# KiCad board phase-control.kicad_pcb (continued)
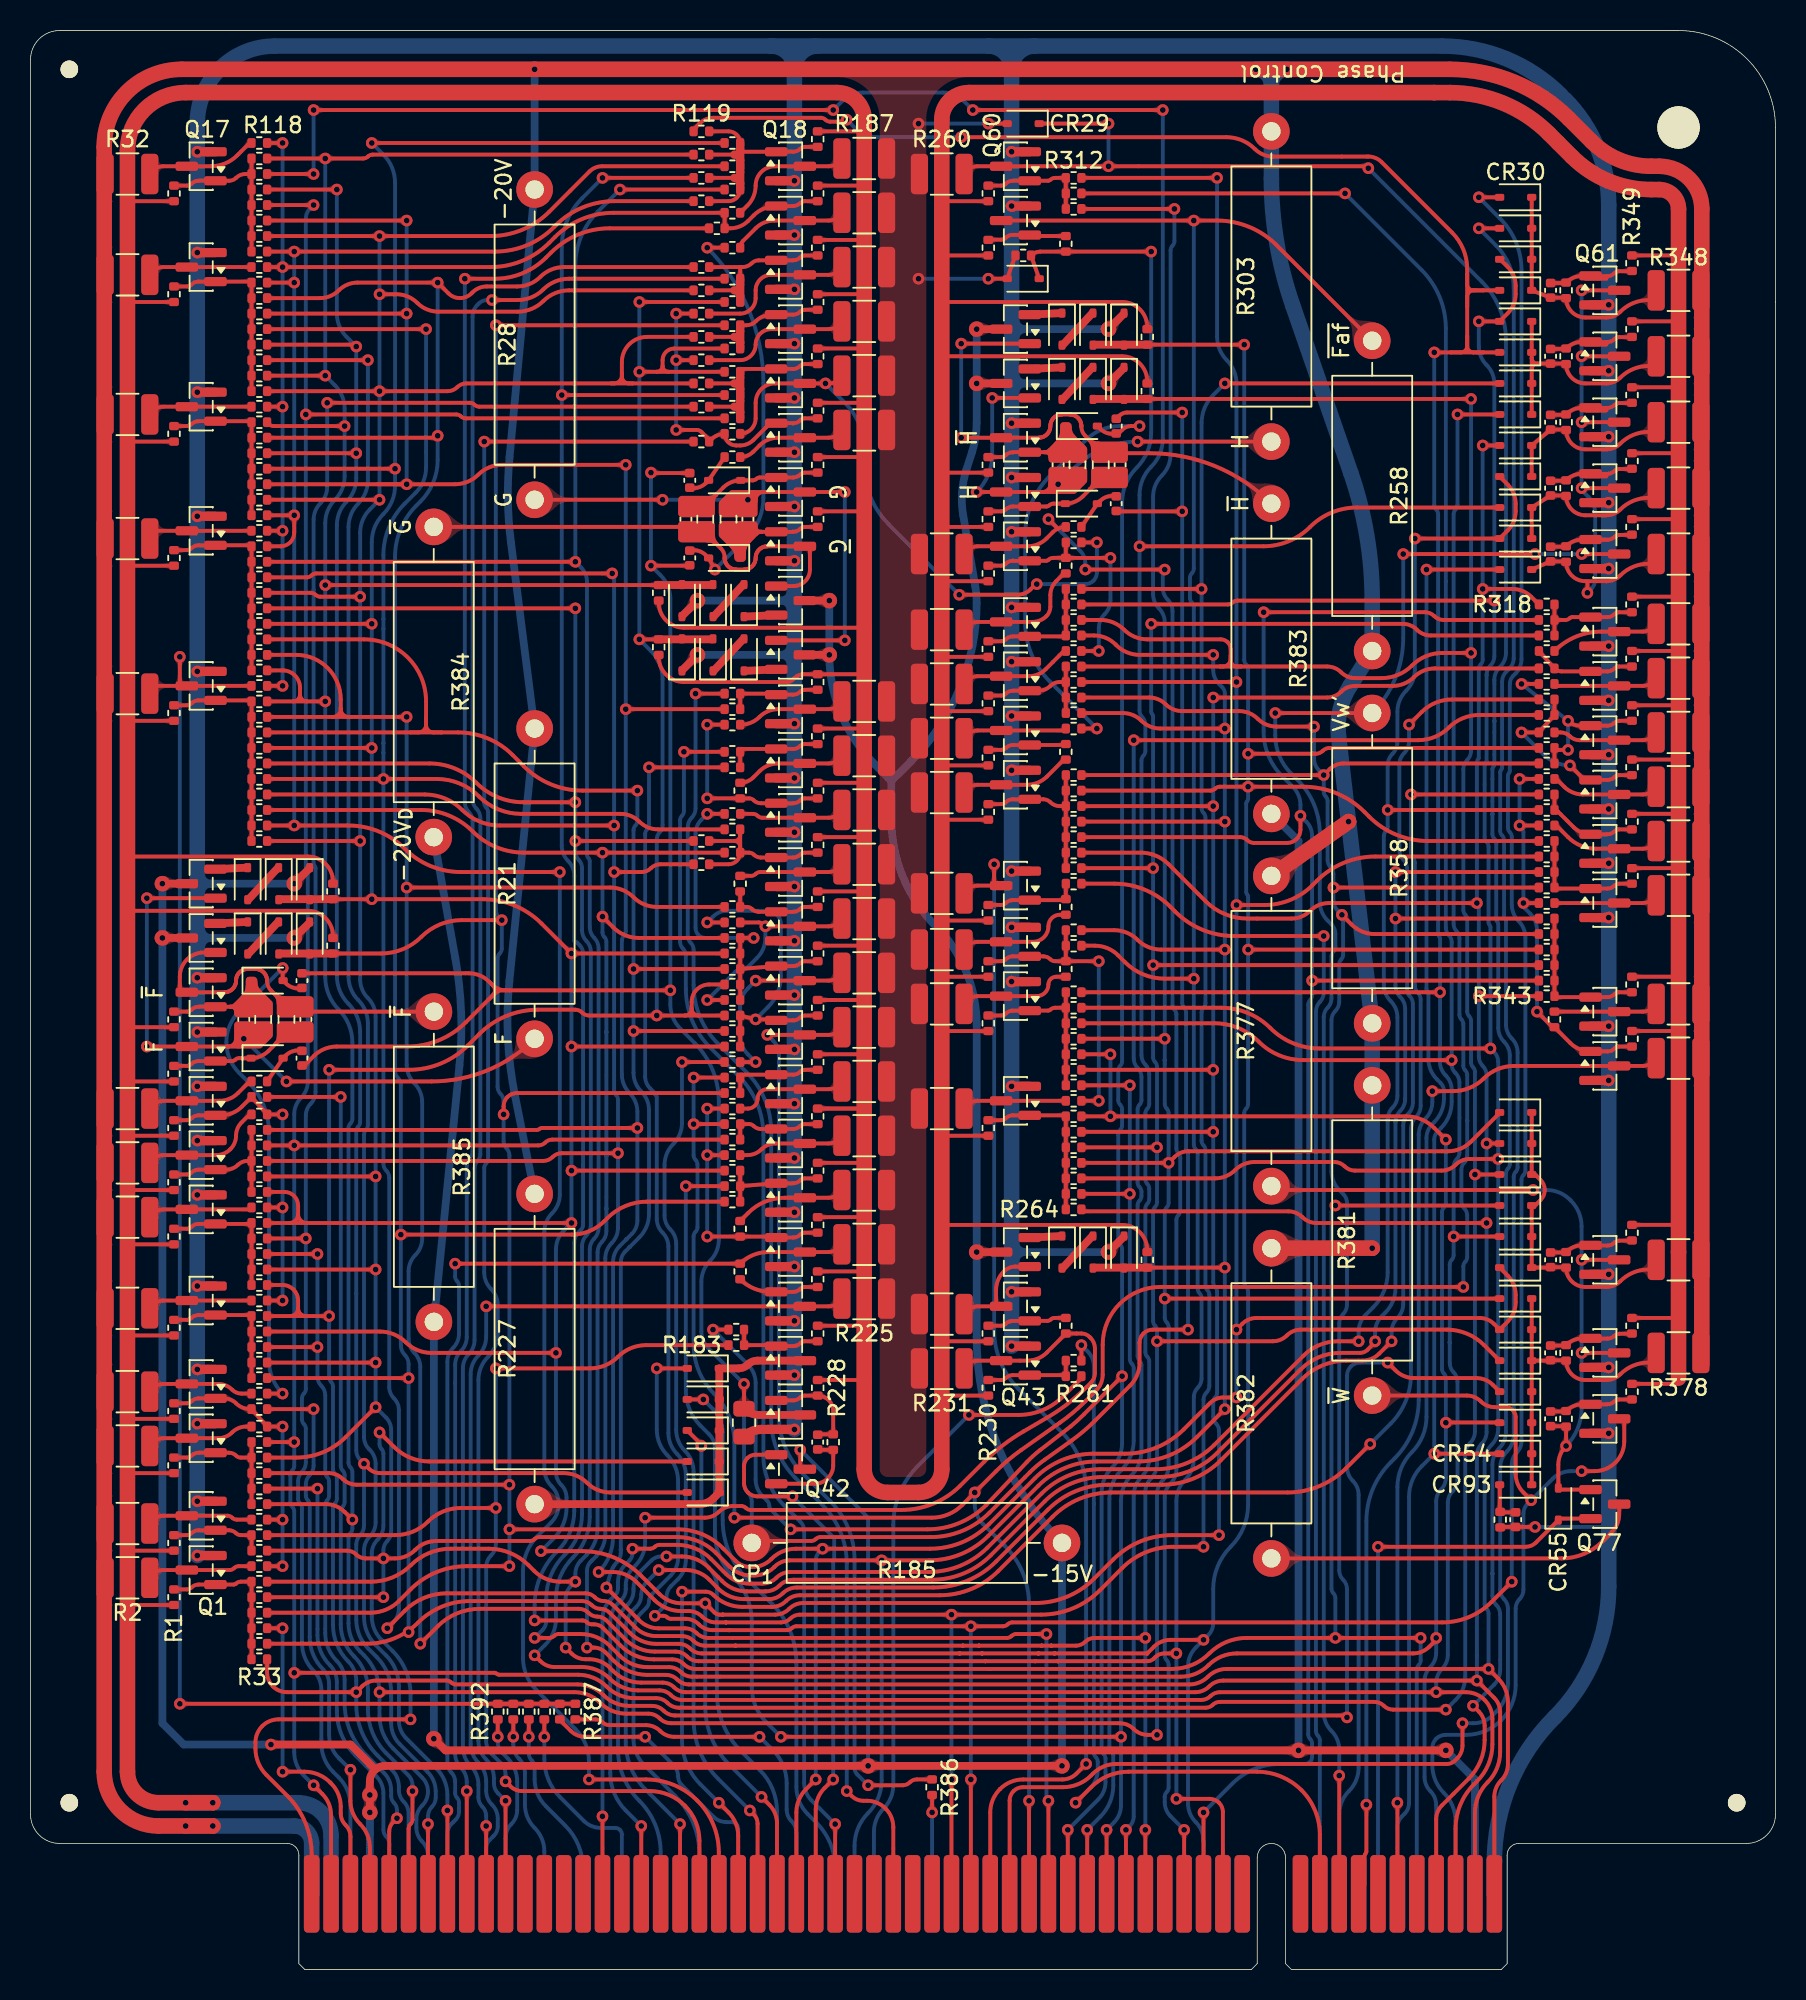
[diagram p0: board, top side]
## Placement (name value [footprint] x y rotation side) (continued)
R198  33k  [R_0402_1005Metric]  51.56 98.55 90 top
R199  33k  [R_0402_1005Metric]  51.56 95 90 top
R200  56k  [R_0402_1005Metric]  41.15 90.17 270 top
R201  56k  [R_0402_1005Metric]  41.15 86.61 270 top
R202  56k  [R_0402_1005Metric]  51.56 84.33 90 top
R203  2k ½W  [R_1210_3225Metric]  54.61 83.06 180 top
R204  56k  [R_0402_1005Metric]  51.56 80.77 90 top
R205  2k ½W  [R_1210_3225Metric]  54.61 79.5 180 top
R206  56k  [R_0402_1005Metric]  51.56 77.22 90 top
R207  2k ½W  [R_1210_3225Metric]  54.61 75.95 180 top
R208  56k  [R_0402_1005Metric]  51.56 73.66 90 top
R209  2k ½W  [R_1210_3225Metric]  54.61 72.39 180 top
R210  56k  [R_0402_1005Metric]  51.56 70.1 90 top
R211  2k ½W  [R_1210_3225Metric]  54.61 68.83 180 top
R212  56k  [R_0402_1005Metric]  51.56 66.55 90 top
R213  2k ½W  [R_1210_3225Metric]  54.61 65.28 180 top
R214  56k  [R_0402_1005Metric]  51.56 62.99 90 top
R215  2k ½W  [R_1210_3225Metric]  54.61 61.72 180 top
R216  56k  [R_0402_1005Metric]  51.56 59.44 90 top
R217  2k ½W  [R_1210_3225Metric]  54.61 58.17 180 top
R218  56k  [R_0402_1005Metric]  51.56 55.88 90 top
R219  2k ½W  [R_1210_3225Metric]  54.61 54.61 180 top
R220  56k  [R_0402_1005Metric]  51.56 52.32 90 top
R221  2k ½W  [R_1210_3225Metric]  54.61 51.05 180 top
R222  56k  [R_0402_1005Metric]  51.56 48.77 90 top
R223  2k ½W  [R_1210_3225Metric]  54.61 47.5 180 top
R224  56k  [R_0402_1005Metric]  51.56 45.21 90 top
R225  2k ½W  [R_1210_3225Metric]  54.61 43.94 180 top
R226  56k  [R_0402_1005Metric]  51.56 41.66 90 top
R227  800R 2W  [R_Axial_DIN0516_L15.5mm_D5.0mm_P20.32mm_Horizontal]  33.02 50.8 270 top
R228  56k  [R_0402_1005Metric]  51.56 38.1 90 top
R229  2k ⅛W  [R_0805_2012Metric]  46.74 35.81 270 top
R230  56k  [R_0402_1005Metric]  62.74 38.1 270 top
R231  2k ½W  [R_1210_3225Metric]  59.69 39.37 0 top
R232  56k  [R_0402_1005Metric]  62.74 41.66 270 top
R233  2k ½W  [R_1210_3225Metric]  59.69 42.93 0 top
R234  56k  [R_0402_1005Metric]  73.15 46.48 90 top
R235  56k  [R_0402_1005Metric]  62.74 55.12 270 top
R236  2k ½W  [R_1210_3225Metric]  59.69 56.39 0 top
R237  56k  [R_0402_1005Metric]  62.74 61.98 270 top
R238  2k ½W  [R_1210_3225Metric]  59.69 63.25 0 top
R239  56k  [R_0402_1005Metric]  62.74 65.53 270 top
R240  2k ½W  [R_1210_3225Metric]  59.69 66.8 0 top
R241  56k  [R_0402_1005Metric]  62.74 69.21 270 top
R242  2k ½W  [R_1210_3225Metric]  59.69 70.48 0 top
R243  56k  [R_0402_1005Metric]  62.74 75.82 270 top
R244  2k ½W  [R_1210_3225Metric]  59.69 77.09 0 top
R245  56k  [R_0402_1005Metric]  62.74 79.37 270 top
R246  2k ½W  [R_1210_3225Metric]  59.69 80.64 0 top
R247  56k  [R_0402_1005Metric]  62.74 82.93 270 top
R248  2k ½W  [R_1210_3225Metric]  59.69 84.2 0 top
R249  56k  [R_0402_1005Metric]  62.74 86.49 270 top
R250  2k ½W  [R_1210_3225Metric]  59.69 87.76 0 top
R251  56k  [R_0402_1005Metric]  62.74 91.44 270 top
R252  2k ½W  [R_1210_3225Metric]  59.69 92.71 0 top
R253  33k  [R_0402_1005Metric]  62.74 95 270 top
R254  33k  [R_0402_1005Metric]  62.74 98.55 270 top
R255  56k  [R_0402_1005Metric]  73.15 103.38 90 top
R256  56k  [R_0402_1005Metric]  73.15 106.93 90 top
R257  56k  [R_0402_1005Metric]  62.74 112.78 270 top
R258  800R 2W  [R_Axial_DIN0516_L15.5mm_D5.0mm_P20.32mm_Horizontal]  87.88 86.36 90 top
R259  56k  [R_0402_1005Metric]  62.74 116.33 270 top
R260  2k ½W  [R_1210_3225Metric]  59.69 117.6 0 top
R261  15k  [R_0402_1005Metric]  68.33 38.86 180 top
R262  15k  [R_0402_1005Metric]  68.33 39.88 180 top
R263  15k  [R_0402_1005Metric]  67.82 42.16 90 top
R264  15k  [R_0402_1005Metric]  68.33 49.78 180 top
R265  15k  [R_0402_1005Metric]  68.33 50.8 180 top
R266  15k  [R_0402_1005Metric]  68.33 51.82 180 top
R267  15k  [R_0402_1005Metric]  68.33 52.83 180 top
R268  15k  [R_0402_1005Metric]  68.33 53.85 180 top
R269  15k  [R_0402_1005Metric]  68.33 54.86 180 top
R270  15k  [R_0402_1005Metric]  68.33 55.88 180 top
R271  15k  [R_0402_1005Metric]  68.33 56.9 0 top
R272  15k  [R_0402_1005Metric]  68.33 57.91 180 top
R273  15k  [R_0402_1005Metric]  68.33 58.93 180 top
R274  15k  [R_0402_1005Metric]  68.33 59.94 180 top
R275  15k  [R_0402_1005Metric]  68.33 60.96 180 top
R276  15k  [R_0402_1005Metric]  68.33 61.98 180 top
R277  15k  [R_0402_1005Metric]  68.33 62.99 180 top
R278  15k  [R_0402_1005Metric]  68.33 64.01 180 top
R279  15k  [R_0402_1005Metric]  67.82 65.53 90 top
R280  15k  [R_0402_1005Metric]  68.33 67.06 180 top
R281  15k  [R_0402_1005Metric]  68.33 68.07 180 top
R282  15k  [R_0402_1005Metric]  67.82 69.6 90 top
R283  15k  [R_0402_1005Metric]  68.33 71.12 180 top
R284  15k  [R_0402_1005Metric]  68.33 72.14 180 top
R285  15k  [R_0402_1005Metric]  68.33 73.15 180 top
R286  15k  [R_0402_1005Metric]  68.33 74.17 180 top
R287  15k  [R_0402_1005Metric]  68.33 75.18 180 top
R288  15k  [R_0402_1005Metric]  68.33 76.2 180 top
R289  15k  [R_0402_1005Metric]  68.33 77.22 180 top
R290  15k  [R_0402_1005Metric]  68.33 78.23 180 top
R291  15k  [R_0402_1005Metric]  67.82 79.76 90 top
R292  2k4  [R_0402_1005Metric]  68.33 81.28 0 top
R293  15k  [R_0402_1005Metric]  68.33 82.3 180 top
R294  15k  [R_0402_1005Metric]  68.33 83.31 180 top
R295  15k  [R_0402_1005Metric]  68.33 84.33 180 top
R296  15k  [R_0402_1005Metric]  68.33 85.34 180 top
R297  15k  [R_0402_1005Metric]  68.33 86.36 0 top
R298  15k  [R_0402_1005Metric]  68.33 87.38 180 top
R299  15k  [R_0402_1005Metric]  68.33 88.39 180 top
R300  15k  [R_0402_1005Metric]  68.33 89.41 180 top
R301  15k  [R_0402_1005Metric]  68.33 90.42 180 top
R302  15k  [R_0402_1005Metric]  67.82 91.95 90 top
R303  300R 3W  [R_Axial_DIN0516_L15.5mm_D5.0mm_P20.32mm_Horizontal]  81.28 120.4 270 top
R304  15k  [R_0402_1005Metric]  68.33 93.47 180 top
R305  2k4  [R_0402_1005Metric]  68.33 94.49 180 top
R306  2k4 ¼W  [R_0603_1608Metric]  70.1 98.55 270 top
R307  2k4 ¼W  [R_0603_1608Metric]  68.58 98.55 270 top
R308  15k  [R_0402_1005Metric]  67.82 113.03 90 top
R309  15k  [R_0402_1005Metric]  65.02 112.27 180 top
R310  15k  [R_0402_1005Metric]  68.33 115.32 180 top
R311  15k  [R_0402_1005Metric]  68.33 116.33 180 top
R312  15k  [R_0402_1005Metric]  68.33 117.35 180 top
R313  6k8  [R_0402_1005Metric]  100.58 109.98 90 top
R314  6k8  [R_0402_1005Metric]  100.58 105.66 90 top
R315  6k8  [R_0402_1005Metric]  100.58 101.35 90 top
R316  6k8  [R_0402_1005Metric]  100.58 97.03 90 top
R317  6k8  [R_0402_1005Metric]  100.58 92.71 90 top
R318  15k  [R_0402_1005Metric]  99.31 89.41 0 top
R319  15k  [R_0402_1005Metric]  99.31 88.39 0 top
R320  15k  [R_0402_1005Metric]  99.31 87.38 0 top
R321  15k  [R_0402_1005Metric]  99.31 86.36 180 top
R322  15k  [R_0402_1005Metric]  99.31 85.22 0 top
R323  15k  [R_0402_1005Metric]  99.31 84.2 180 top
R324  15k  [R_0402_1005Metric]  99.31 83.18 0 top
R325  15k  [R_0402_1005Metric]  99.31 82.17 0 top
R326  15k  [R_0402_1005Metric]  99.31 81.03 180 top
R327  15k  [R_0402_1005Metric]  99.31 80.01 0 top
R328  15k  [R_0402_1005Metric]  99.31 78.99 0 top
R329  15k  [R_0402_1005Metric]  99.31 77.98 180 top
R330  15k  [R_0402_1005Metric]  99.31 76.96 0 top
R331  15k  [R_0402_1005Metric]  99.31 75.95 0 top
R332  15k  [R_0402_1005Metric]  99.31 74.93 180 top
R333  15k  [R_0402_1005Metric]  99.31 73.91 0 top
R334  15k  [R_0402_1005Metric]  99.31 72.9 0 top
R335  15k  [R_0402_1005Metric]  99.31 71.88 0 top
R336  15k  [R_0402_1005Metric]  99.31 70.87 0 top
R337  15k  [R_0402_1005Metric]  99.31 69.85 180 top
R338  15k  [R_0402_1005Metric]  99.31 68.83 0 top
R339  15k  [R_0402_1005Metric]  99.31 67.82 0 top
R340  15k  [R_0402_1005Metric]  99.31 66.8 0 top
R341  15k  [R_0402_1005Metric]  99.31 65.79 0 top
R342  15k  [R_0402_1005Metric]  99.31 64.77 0 top
R343  15k  [R_0402_1005Metric]  99.31 63.75 0 top
R344  15k  [R_0402_1005Metric]  99.82 62.23 270 top
R345  6k8  [R_0402_1005Metric]  100.58 46.48 90 top
R346  6k8  [R_0402_1005Metric]  100.58 40.39 90 top
R347  6k8  [R_0402_1005Metric]  100.58 36.07 90 top
R348  10k ½W  [R_1210_3225Metric]  107.95 109.98 180 top
R349  33k  [R_0402_1005Metric]  104.9 111.76 90 top
R350  2k ½W  [R_1210_3225Metric]  107.95 92.71 180 top
R351  10k ½W  [R_1210_3225Metric]  107.95 105.66 180 top
R352  33k  [R_0402_1005Metric]  104.9 107.44 90 top
R353  10k ½W  [R_1210_3225Metric]  107.95 101.35 180 top
R354  33k  [R_0402_1005Metric]  104.9 103.12 90 top
R355  10k ½W  [R_1210_3225Metric]  107.95 97.03 180 top
R356  33k  [R_0402_1005Metric]  104.9 98.81 90 top
R357  33k  [R_0402_1005Metric]  104.9 94.49 90 top
R358  800R 2W  [R_Axial_DIN0516_L15.5mm_D5.0mm_P20.32mm_Horizontal]  87.88 61.98 90 top
R359  56k  [R_0402_1005Metric]  104.9 89.41 90 top
R360  2k ½W  [R_1210_3225Metric]  107.95 88.14 180 top
R361  56k  [R_0402_1005Metric]  104.9 85.85 90 top
R362  2k ½W  [R_1210_3225Metric]  107.95 84.58 180 top
R363  56k  [R_0402_1005Metric]  104.9 82.3 90 top
R364  2k ½W  [R_1210_3225Metric]  107.95 81.03 180 top
R365  56k  [R_0402_1005Metric]  104.9 78.74 90 top
R366  2k ½W  [R_1210_3225Metric]  107.95 77.47 180 top
R367  56k  [R_0402_1005Metric]  104.9 75.18 90 top
R368  2k ½W  [R_1210_3225Metric]  107.95 73.91 180 top
R369  56k  [R_0402_1005Metric]  104.9 71.63 90 top
R370  2k ½W  [R_1210_3225Metric]  107.95 70.36 180 top
R371  56k  [R_0402_1005Metric]  104.9 64.52 90 top
R372  2k ½W  [R_1210_3225Metric]  107.95 63.25 180 top
R373  56k  [R_0402_1005Metric]  104.9 60.96 90 top
R374  2k ½W  [R_1210_3225Metric]  107.95 59.69 180 top
R375  10k ½W  [R_1210_3225Metric]  107.95 46.48 180 top
R376  33k  [R_0402_1005Metric]  104.9 48.26 90 top
R377  800R 2W  [R_Axial_DIN0516_L15.5mm_D5.0mm_P20.32mm_Horizontal]  81.28 71.63 270 top
R378  10k ½W  [R_1210_3225Metric]  107.95 40.39 180 top
R379  33k  [R_0402_1005Metric]  104.9 42.16 90 top
R380  33k  [R_0402_1005Metric]  104.9 37.85 90 top
R381  800R 2W  [R_Axial_DIN0516_L15.5mm_D5.0mm_P20.32mm_Horizontal]  87.88 57.91 270 top
R382  300R 3W  [R_Axial_DIN0516_L15.5mm_D5.0mm_P20.32mm_Horizontal]  81.28 47.24 270 top
R383  300R 3W  [R_Axial_DIN0516_L15.5mm_D5.0mm_P20.32mm_Horizontal]  81.28 75.69 90 top
R384  300R 3W  [R_Axial_DIN0516_L15.5mm_D5.0mm_P20.32mm_Horizontal]  26.41 74.17 90 top
R385  300R 3W  [R_Axial_DIN0516_L15.5mm_D5.0mm_P20.32mm_Horizontal]  26.42 42.42 90 top
R386  15k  [R_0402_1005Metric]  59.05 11.94 270 top
R387  15k  [R_0402_1005Metric]  35.69 16.89 270 top
R388  15k  [R_0402_1005Metric]  34.67 16.89 270 top
R389  15k  [R_0402_1005Metric]  33.66 16.89 270 top
R390  15k  [R_0402_1005Metric]  32.64 16.89 270 top
R391  15k  [R_0402_1005Metric]  31.62 16.89 270 top
R392  15k  [R_0402_1005Metric]  30.61 16.89 270 top
R900  15k  [R_0402_1005Metric]  96.27 29.46 270 top
REF**  -  [OSHW-Logo2_14.6x12mm_SilkScreen]  56.9 101.6 270 bottom
TH1  Tooling Hole  [JLC_ToolingHole]  2.54 124.46 0 top
TH2  Tooling Hole  [JLC_ToolingHole]  2.54 10.92 0 top
TH2#2  Tooling Hole  [JLC_ToolingHole]  111.76 10.92 0 top

## Library data of the parts
C1 C4 C5 C8 C10 C13-C21 = -: Description: capacitor, small US symbol; KiLib_Generator: SMD_2terminal_chip_molded; BOM Value: 120pF; ki_fp_filters: C_*
C2 C3 C6 C7 C9 C11 C12 C900 = -: Description: capacitor, small US symbol; KiLib_Generator: SMD_2terminal_chip_molded; BOM Value: 680pF; ki_fp_filters: C_*
CR1-CR13 CR16-CR18 CR20-CR60 CR90-CR93 = -: Description: Diode; Sim.Device: D; Sim.Pins: 1=K 2=A; LCSC: C2128; ki_fp_filters: TO-???* *_Diode_* *SingleDiode* D_*
MH1 = -: Datasheet: https://www.bivar.com/parts_content/Datasheets/CP-2X.pdf; Description: PCB Card Ejector, 1.13 in Upturned Lever, Nylon, White
P1 = -: Description: "Generic connector, double row, 02x60, row letter first pin numbering scheme (pin number consists of a letter for the row and a number for the pin index in this row. a1, ..., aN; b1, ..., bN), script generated"; ki_fp_filters: Connector*:*_2x??_*
Q1-Q77 = -: Description: PNP BJT; KiLib_Generator: package/gullwing; Sim.Device: PNP; Sim.Pins: 1=B 2=E 3=C; LCSC: C8326
R1 R3 R5 R7 R9 R11 R13 R15 R19 R20 R22 R24 R26 R29 R31 R186 R188 R190 R192 R194 R196 R200-R202 R204 R206 R208 R210 R212 R214 R216 R218 R220 R222 R224 R226 R228 R230 R232 R234 R235 R237 R239 R241 R243 R245 R247 R249 R251 R255-R257 R259 R359 R361 R363 R365 R367 R369 R371 R373 = -: Description: Resistor, US symbol; KiLib_Generator: SMD_2terminal_chip_molded; BOM Value: 56kΩ; ki_fp_filters: R_*
R2 R4 R6 R8 R10 R12 R14 R16 R23 R25 R27 R30 R32 R187 R189 R191 R193 R195 R197 R203 R205 R207 R209 R211 R213 R215 R217 R219 R221 R223 R225 R231 R233 R236 R238 R240 R242 R244 R246 R248 R250 R252 R260 R350 R360 R362 R364 R366 R368 R370 R372 R374 = -: Description: Resistor, US symbol; KiLib_Generator: SMD_2terminal_chip_molded; BOM Value: 2kΩ 500mW; ki_fp_filters: R_*
R17 R18 R198 R199 R253 R254 R349 R352 R354 R356 R357 R376 R379 R380 = -: Description: Resistor, US symbol; KiLib_Generator: SMD_2terminal_chip_molded; BOM Value: 33kΩ; ki_fp_filters: R_*
R21 R28 R303 R382-R385 = -: Description: Resistor, US symbol; KiLib_Generator: resistor/THT; BOM Value: 300Ω 3W; ki_fp_filters: R_*
R33-R49 R51-R69 R73-R127 R129-R144 R148-R183 R261-R291 R293-R302 R304 R308-R312 R318-R344 R386-R392 R900 = -: Description: Resistor, US symbol; KiLib_Generator: SMD_2terminal_chip_molded; BOM Value: 15kΩ; ki_fp_filters: R_*
R50 R70 R128 R145 R292 R305 = -: Description: Resistor, US symbol; KiLib_Generator: SMD_2terminal_chip_molded; BOM Value: 2.4kΩ; ki_fp_filters: R_*
R71 R72 R146 R147 R306 R307 = -: Description: Resistor, US symbol; KiLib_Generator: SMD_2terminal_chip_molded; BOM Value: 2.4kΩ 250mW; ki_fp_filters: R_*
R184 R313-R317 R345-R347 = -: Description: Resistor, US symbol; KiLib_Generator: SMD_2terminal_chip_molded; BOM Value: 6.8kΩ; ki_fp_filters: R_*
R185 = -: Description: Resistor, US symbol; KiLib_Generator: resistor/THT; BOM Value: 450Ω 2W; ki_fp_filters: R_*
R227 R258 R358 R377 R381 = -: Description: Resistor, US symbol; KiLib_Generator: resistor/THT; BOM Value: 800Ω 2W; ki_fp_filters: R_*
R229 = -: Description: Resistor, US symbol; KiLib_Generator: SMD_2terminal_chip_molded; BOM Value: 2kΩ 125mW; ki_fp_filters: R_*
R348 R351 R353 R355 R375 R378 = -: Description: Resistor, US symbol; KiLib_Generator: SMD_2terminal_chip_molded; BOM Value: 10kΩ 500mW; ki_fp_filters: R_*

## Footprints (pads in the part's own frame, mm; a bottom-side part is the same pattern mirrored in y, then rotated)
Bivar_CP-26_WE
  round 2.769 hole 2.769 unplated: (0,0)
Bus_PCI_5V_32bit
  rrect 1.016x5.08 smd far side: A1(-38.735,-3.302) A2(-37.465,-3.302) A3(-36.195,-3.302) A4(-34.925,-3.302) A5(-33.655,-3.302) A6(-32.385,-3.302) A7(-31.115,-3.302) A8(-29.845,-3.302) A9(-28.575,-3.302) A10(-27.305,-3.302) A11(-26.035,-3.302) A12(-24.765,-3.302) A13(-23.495,-3.302) A14(-22.225,-3.302) A15(-20.955,-3.302) A16(-19.685,-3.302) A17(-18.415,-3.302) A18(-17.145,-3.302) A19(-15.875,-3.302) A20(-14.605,-3.302) A21(-13.335,-3.302) A22(-12.065,-3.302) A23(-10.795,-3.302) A24(-9.525,-3.302) A25(-8.255,-3.302) A26(-6.985,-3.302) A27(-5.715,-3.302) A28(-4.445,-3.302) A29(-3.175,-3.302) A30(-1.905,-3.302) A31(-0.635,-3.302) A32(0.635,-3.302) A33(1.905,-3.302) A34(3.175,-3.302) A35(4.445,-3.302) A36(5.715,-3.302) A37(6.985,-3.302) A38(8.255,-3.302) A39(9.525,-3.302) A40(10.795,-3.302) A41(12.065,-3.302) A42(13.335,-3.302) A43(14.605,-3.302) A44(15.875,-3.302) A45(17.145,-3.302) A46(18.415,-3.302) A47(19.685,-3.302) A48(20.955,-3.302) A49(22.225,-3.302) A52(26.035,-3.302) A53(27.305,-3.302) A54(28.575,-3.302) A55(29.845,-3.302) A56(31.115,-3.302) A57(32.385,-3.302) A58(33.655,-3.302) A59(34.925,-3.302) A60(36.195,-3.302) A61(37.465,-3.302) A62(38.735,-3.302)
  rrect 1.016x5.08 smd: B1(-38.735,-3.302) B2(-37.465,-3.302) B3(-36.195,-3.302) B4(-34.925,-3.302) B5(-33.655,-3.302) B6(-32.385,-3.302) B7(-31.115,-3.302) B8(-29.845,-3.302) B9(-28.575,-3.302) B10(-27.305,-3.302) B11(-26.035,-3.302) B12(-24.765,-3.302) B13(-23.495,-3.302) B14(-22.225,-3.302) B15(-20.955,-3.302) B16(-19.685,-3.302) B17(-18.415,-3.302) B18(-17.145,-3.302) B19(-15.875,-3.302) B20(-14.605,-3.302) B21(-13.335,-3.302) B22(-12.065,-3.302) B23(-10.795,-3.302) B24(-9.525,-3.302) B25(-8.255,-3.302) B26(-6.985,-3.302) B27(-5.715,-3.302) B28(-4.445,-3.302) B29(-3.175,-3.302) B30(-1.905,-3.302) B31(-0.635,-3.302) B32(0.635,-3.302) B33(1.905,-3.302) B34(3.175,-3.302) B35(4.445,-3.302) B36(5.715,-3.302) B37(6.985,-3.302) B38(8.255,-3.302) B39(9.525,-3.302) B40(10.795,-3.302) B41(12.065,-3.302) B42(13.335,-3.302) B43(14.605,-3.302) B44(15.875,-3.302) B45(17.145,-3.302) B46(18.415,-3.302) B47(19.685,-3.302) B48(20.955,-3.302) B49(22.225,-3.302) B52(26.035,-3.302) B53(27.305,-3.302) B54(28.575,-3.302) B55(29.845,-3.302) B56(31.115,-3.302) B57(32.385,-3.302) B58(33.655,-3.302) B59(34.925,-3.302) B60(36.195,-3.302) B61(37.465,-3.302) B62(38.735,-3.302)
C_0402_1005Metric
  rrect 0.56x0.62 smd: 1(-0.48,0) 2(0.48,0)
D_SOD-323
  rrect 0.6x0.45 smd: 1(-1.05,0) 2(1.05,0)
JLC_ToolingHole
  round 1.152 hole 1.152 unplated: (0,0)
R_0402_1005Metric
  rrect 0.54x0.64 smd: 1(-0.51,0) 2(0.51,0)
R_0603_1608Metric
  rrect 0.8x0.95 smd: 1(-0.825,0) 2(0.825,0)
R_0805_2012Metric
  rrect 1.025x1.4 smd: 1(-0.912,0) 2(0.912,0)
R_1210_3225Metric
  rrect 1.125x2.65 smd: 1(-1.462,0) 2(1.462,0)
R_Axial_DIN0516_L15.5mm_D5.0mm_P20.32mm_Horizontal
  round 2.4 hole 1.2: 1(0,0) 2(20.32,0)
SOT-23
  rrect 1.475x0.6 smd: 1(-0.938,0.95) 2(-0.938,-0.95) 3(0.938,0)

## Nets
+15V: P1.A2 R1.2 R3.2 R5.2 R7.2 R9.2 R11.2 R13.2 R15.2 R17.2 R18.2 R19.2 R20.2 R22.2 R24.2 R26.2 R29.2 R31.2 R186.2 R188.2 R190.2 R192.2 R194.2 R196.2 R198.2 R199.2 R200.2 R201.2 R202.2 R204.2 R206.2 R208.2 R210.2 R212.2 R214.2 R216.2 R218.2 R220.2 R222.2 R224.2 R226.2 R228.2 R230.2 R232.2 R234.2 R235.2 R237.2 R239.2 R241.2 R243.2 R245.2 R247.2 R249.2 R251.2 R253.2 R254.2 R255.2 R256.2 R257.2 R259.2 R349.2 R352.2 R354.2 R356.2 R357.2 R359.2 R361.2 R363.2 R365.2 R367.2 R369.2 R371.2 R373.2 R376.2 R379.2 R380.2
-15V: P1.A4 Q11.3 Q12.3 Q26.3 Q27.3 Q42.3 Q45.3 Q57.3 Q58.3 R185.1
-20V: CR28.2 CR29.2 P1.A1 R2.1 R4.1 R6.1 R8.1 R10.1 R12.1 R14.1 R16.1 R21.1 R23.1 R25.1 R27.1 R28.1 R30.1 R32.1 R187.1 R189.1 R191.1 R193.1 R195.1 R197.1 R203.1 R205.1 R207.1 R209.1 R211.1 R213.1 R215.1 R217.1 R219.1 R221.1 R223.1 R225.1 R227.1 R231.1 R233.1 R236.1 R238.1 R240.1 R242.1 R244.1 R246.1 R248.1 R250.1 R252.1 R258.1 R260.1 R303.1 R309.2 R348.1 R350.1 R351.1 R353.1 R355.1 R358.1 R360.1 R362.1 R364.1 R366.1 R368.1 R370.1 R372.1 R374.1 R375.1 R377.1 R378.1 R381.1 R382.1
-20V_{D}: P1.A61 R383.1 R384.1 R385.1
GND: C900.1 CR3.1 CR6.1 CR11.1 CR18.1 CR22.1 CR25.1 CR90.1 P1.A62 Q1.2 Q2.2 Q3.2 Q4.2 Q5.2 Q6.2 Q7.2 Q8.2 Q9.2 Q10.2 Q13.2 Q14.2 Q15.2 Q16.2 Q17.2 Q18.2 Q19.2 Q20.2 Q21.2 Q22.2 Q23.2 Q24.2 Q25.2 Q28.2 Q29.2 Q30.2 Q31.2 Q32.2 Q33.2 Q34.2 Q35.2 Q36.2 Q37.2 Q38.2 Q39.2 Q40.2 Q41.2 Q43.2 Q44.2 Q46.2 Q47.2 Q48.2 Q49.2 Q50.2 Q51.2 Q52.2 Q53.2 Q54.2 Q55.2 Q56.2 Q59.2 Q60.2 Q61.2 Q62.2 Q63.2 Q64.2 Q65.2 Q66.2 Q67.2 Q68.2 Q69.2 Q70.2 Q71.2 Q72.2 Q73.2 Q74.2 Q75.2 Q76.2 R229.2 R900.2
/F Flip-Flop/F': Q4.3 R8.2 R50.1
/F Flip-Flop/F_{S}: C4.2 Q9.3 Q12.1 R21.2 R72.2
/F Flip-Flop/~{F'}: Q8.3 R16.2 R70.2
/F Flip-Flop/~{F_{S}}: C1.2 Q10.3 Q11.1 R71.1 R385.2
/G Flip-Flop/G': Q19.3 R128.1 R189.2
/G Flip-Flop/G_{S}: C8.2 Q24.3 Q27.1 R28.2 R147.2
/G Flip-Flop/~{G'}: Q23.3 R145.2 R197.2
/G Flip-Flop/~{G_{S}}: C5.2 Q25.3 Q26.1 R146.1 R384.2
/H Flip-Flop/H': Q51.3 R246.2 R292.1
/H Flip-Flop/H_{S}: C13.2 Q55.3 Q57.1 R303.2 R307.2
/H Flip-Flop/~{H_{S}}: C10.2 Q56.3 Q58.1 R306.1 R383.2
A: CR39.2 CR41.2 P1.B16 R331.1
be: P1.B21 R41.1 R183.1
Bl: P1.B39 R80.1 R86.1 R164.1 R168.1
brc: P1.B23 R330.1
C: CR37.2 P1.B38 R171.1 R174.1
CP: P1.B27 Q42.1
CP_{1}: C2.2 C3.2 C6.2 C7.2 C11.2 C12.2 Q41.3 R185.2 R229.1
F: CR6.2 CR7.2 P1.B25 R20.1 R54.1 R61.1 R63.1 R79.1 R87.1 R97.1 R120.1 R163.1 R169.1 R177.1 R269.1 R273.1 R288.1 R322.1
Fa: P1.B3 R35.1
Faf: CR28.1 P1.B40 R182.1 R308.1 R309.1
Fb: P1.B5 R53.1 R59.1
G: CR17.2 CR18.2 P1.A6 R33.1 R55.1 R57.1 R132.1 R136.1 R138.1 R165.1 R167.1 R201.1 R290.1 R294.1 R328.1 R336.1 R339.1
Ga: CR59.2 P1.B7 R98.1 R105.1 R115.1
Gb: P1.B10 R130.1
H: CR22.2 CR23.2 CR45.2 P1.B2 R47.1 R66.1 R114.1 R142.1 R175.1 R255.1 R296.1 R299.1
ia: CR57.2 P1.A28
K: CR36.2 P1.B34 R67.1 R96.1 R107.1 R113.1 R149.1 R301.1
K': P1.B36 Q49.3 R242.2
Kc: CR29.1 P1.B59 Q60.3 R260.2
P1: P1.A5 R44.1
P1b: CR60.2 P1.B1
P4: P1.B31 R148.1
P5a: CR58.2 P1.A21
P6: P1.B28 R151.1
P6a: CR56.2 P1.A25
Q1: CR33.2 CR35.2 CR54.2 P1.A57 R119.1 R278.1
Q2: CR51.2 P1.B44 R77.1 R106.1 R155.1 R268.1 R284.1 R320.1 R341.1
Q3: CR46.2 P1.A58 R123.1 R140.1
Q4: CR40.2 P1.B43 R116.1
R: P1.B42 R178.1 R325.1
r1: P1.A8 Q38.3 R181.1 R223.2
Rw': P1.B55 Q73.3 R374.2
S1: P1.B53 R262.1
S3: P1.A30 R261.1
T3: CR90.2 CR91.2 P1.A29 R37.1 R40.1 R46.1 R52.1 R58.1 R64.1 R73.1 R89.1 R95.1 R102.1 R112.1 R122.1 R131.1 R135.1 R139.1 R234.1 R281.1 R287.1 R293.1 R298.1
V: P1.A19 R335.1 R338.1
Vw': P1.B54 Q65.3 R358.2
W: CR55.1 P1.A56 Q77.2
~{Ac1}: P1.B24 R170.2
~{be}: P1.B22 R74.1 R92.1 R94.1 R109.1 R111.1 R125.1
~{bq}: P1.A53 R283.1
~{brc}: P1.B20 R324.1
~{bs}: P1.B8 R104.1
~{C}: CR31.2 P1.B37
~{Faf}: P1.B48 Q59.3 R81.1 R85.1 R160.1 R258.2 R280.1
~{Fc}: P1.B4 R49.1
~{Fd}: P1.B6 R69.1
~{F}: CR3.2 CR4.2 CR48.2 CR50.2 P1.B26 R19.1 R36.1 R45.1 R134.1 R172.1 R295.1 R312.1 R334.1
~{Gc}: P1.B9 R127.1
~{Gd}: P1.B11 R144.1
~{G}: CR11.2 CR12.2 CR43.2 CR49.2 P1.A7 R43.1 R82.1 R84.1 R100.1 R103.1 R117.1 R121.1 R200.1 R267.1 R275.1 R310.1
~{H'}: P1.B46 Q54.3 R252.2 R305.2
~{H}: CR25.2 CR26.2 P1.A47 R34.1 R51.1 R99.1 R108.1 R129.1 R179.1 R256.1 R289.1 R327.1 R333.1 R340.1
~{ic}: P1.A33 R386.2
~{K}: CR30.2 P1.B35 R152.1
~{L}: CR42.2 P1.B57
~{P1d}: P1.A11 R392.2
~{P1}: P1.A3 R60.1 R141.1
~{P2d}: P1.A13 R391.2
~{P3d}: P1.A15 R390.2
~{P4d}: P1.A17 R389.2
~{P5d}: P1.A23 R388.2
~{P6d}: P1.A26 R387.2
~{Q1}: CR38.2 CR44.2 P1.B61 R38.1 R75.1 R157.1 R162.1 R264.1 R285.1 R318.1 R343.1
~{Q2}: CR47.2 P1.B60 R91.1 R124.1 R276.1 R311.1
~{Q3}: CR53.2 P1.A59 R78.1 R88.1 R156.1 R270.1 R274.1
~{Q4}: CR32.2 CR34.2 P1.B62 R65.1 R76.1 R90.1 R158.1 R266.1 R277.1 R300.1
~{r1}: P1.A10 Q39.3 R225.2
~{R}: P1.B41 R265.1 R272.1
~{S2}: CR52.2 P1.A54
~{T3}: P1.B18 Q43.3 R231.2 R263.1
~{W}: P1.A60 Q76.3 R381.2
~{β6}: Q22.3 R143.1 R195.2 R304.1
α9: P1.B47 R286.1 R319.1 R342.1
Net-(CR1-A): C2.1 CR1.2 R70.1
Net-(CR1-K): C1.1 CR1.1 Q9.1 R17.1 R71.2
Net-(CR2-A): C3.1 CR2.2 R50.2
Net-(CR2-K): C4.1 CR2.1 Q10.1 R18.1 R72.1
Net-(CR4-K): CR4.1 CR5.2
Net-(CR5-K): CR5.1 Q11.2
Net-(CR7-K): CR7.1 CR8.2
Net-(CR8-K): CR8.1 Q12.2
Net-(CR9-A): C6.1 CR9.2 R145.1
Net-(CR9-K): C5.1 CR9.1 Q24.1 R146.2 R198.1
Net-(CR10-A): C7.1 CR10.2 R128.2
Net-(CR10-K): C8.1 CR10.1 Q25.1 R147.1 R199.1
Net-(CR12-K): CR12.1 CR13.2
Net-(CR13-K): CR13.1 Q26.2
Net-(CR16-A): CR16.2 CR17.1
Net-(CR16-K): CR16.1 Q27.2
Net-(CR20-A): C11.1 CR20.2 R305.1
Net-(CR20-K): C10.1 CR20.1 Q55.1 R253.1 R306.2
Net-(CR21-A): C12.1 CR21.2 R292.2
Net-(CR21-K): C13.1 CR21.1 Q56.1 R254.1 R307.1
Net-(CR23-K): CR23.1 CR24.2
Net-(CR24-K): CR24.1 Q57.2
Net-(CR26-K): CR26.1 CR27.2
Net-(CR27-K): CR27.1 Q58.2
Net-(CR30-K): C14.2 CR30.1 CR31.1 CR32.1 CR33.1 R313.1 R348.2
Net-(CR34-K): C15.2 CR34.1 CR35.1 CR36.1 CR37.1 R314.1 R351.2
Net-(CR38-K): C16.2 CR38.1 CR39.1 R315.1 R353.2
Net-(CR40-K): C17.2 CR40.1 CR41.1 R316.1 R355.2
Net-(CR42-K): C18.2 CR42.1 Q61.3 Q62.3 Q63.3 Q64.3 R317.1 R350.2
Net-(CR43-K): C19.2 CR43.1 CR44.1 CR45.1 CR46.1 CR47.1 CR48.1 R345.1 R375.2
Net-(CR49-K): C20.2 CR49.1 CR50.1 CR51.1 CR52.1 CR53.1 CR54.1 CR93.1 R346.1 R378.2
Net-(CR55-A): C21.2 CR55.2 Q74.3 Q75.3 Q77.1 R347.1 R377.2
Net-(CR56-K): CR56.1 CR57.1 CR58.1 CR59.1 CR60.1 Q40.3 R227.2
Net-(CR91-K): CR91.1 CR92.2
Net-(CR92-K): CR92.1 Q45.2
Net-(CR93-A): C900.2 CR93.2 R900.1
Net-(Q1-B): Q1.1 R1.1 R33.2 R34.2 R35.2 R36.2 R37.2 R38.2
Net-(Q1-C): Q1.3 R2.2 R39.1
Net-(Q2-B): Q2.1 R3.1 R40.2 R41.2
Net-(Q2-C): Q2.3 R4.2 R42.1
Net-(Q3-B): Q3.1 R5.1 R43.2 R44.2 R45.2 R46.2 R47.2
Net-(Q3-C): Q3.3 R6.2 R48.1
Net-(Q4-B): Q4.1 R7.1 R39.2 R42.2 R48.2 R49.2
Net-(Q5-B): Q5.1 R9.1 R51.2 R52.2 R53.2 R54.2 R55.2
Net-(Q5-C): Q5.3 R10.2 R56.1
Net-(Q6-B): Q6.1 R11.1 R57.2 R58.2 R59.2 R60.2 R61.2
Net-(Q6-C): Q6.3 R12.2 R62.1
Net-(Q7-B): Q7.1 R13.1 R63.2 R64.2 R65.2 R66.2 R67.2
Net-(Q7-C): Q7.3 R14.2 R68.1
Net-(Q8-B): Q8.1 R15.1 R56.2 R62.2 R68.2 R69.2
Net-(Q13-B): Q13.1 R22.1 R73.2 R74.2 R75.2 R76.2 R77.2 R78.2 R79.2 R80.2 R81.2 R82.2
Net-(Q13-C): Q13.3 R23.2 R83.1 R387.1 R388.1 R389.1 R390.1 R391.1 R392.1
Net-(Q14-B): Q14.1 R24.1 R84.2 R85.2 R86.2 R87.2 R88.2 R89.2 R90.2 R91.2 R92.2
Net-(Q14-C): Q14.3 R25.2 R93.1
Net-(Q15-B): Q15.1 R26.1 R94.2 R95.2 R96.2 R97.2 R98.2 R99.2 R100.2
Net-(Q15-C): Q15.3 R27.2 R101.1
Net-(Q16-B): Q16.1 R29.1 R102.2 R103.2 R104.2 R105.2 R106.2 R107.2 R108.2 R109.2
Net-(Q16-C): Q16.3 R30.2 R110.1
Net-(Q17-B): Q17.1 R31.1 R111.2 R112.2 R113.2 R114.2 R115.2 R116.2 R117.2
Net-(Q17-C): Q17.3 R32.2 R118.1
Net-(Q18-B): Q18.1 R119.2 R120.2 R121.2 R122.2 R123.2 R124.2 R125.2 R186.1
Net-(Q18-C): Q18.3 R126.1 R187.2
Net-(Q19-B): Q19.1 R83.2 R93.2 R101.2 R110.2 R118.2 R126.2 R127.2 R188.1
Net-(Q20-B): Q20.1 R129.2 R130.2 R131.2 R132.2 R190.1
Net-(Q20-C): Q20.3 R133.1 R191.2
Net-(Q21-B): Q21.1 R134.2 R135.2 R136.2 R192.1
Net-(Q21-C): Q21.3 R137.1 R193.2
Net-(Q22-B): Q22.1 R138.2 R139.2 R140.2 R141.2 R142.2 R194.1
Net-(Q23-B): Q23.1 R133.2 R137.2 R143.2 R144.2 R196.1
Net-(Q28-B): Q28.1 R148.2 R149.2 R202.1
Net-(Q28-C): Q28.3 R150.1 R203.2
Net-(Q29-B): Q29.1 R151.2 R152.2 R204.1
Net-(Q29-C): Q29.3 R153.1 R205.2
Net-(Q30-B): Q30.1 R150.2 R153.2 R206.1
Net-(Q30-C): Q30.3 R154.1 R207.2
Net-(Q31-B): Q31.1 R155.2 R156.2 R157.2 R158.2 R208.1
Net-(Q31-C): Q31.3 R159.1 R209.2
Net-(Q32-B): Q32.1 R159.2 R160.2 R210.1
Net-(Q32-C): Q32.3 R161.1 R166.1 R211.2
Net-(Q33-B): Q33.1 R154.2 R162.2 R163.2 R164.2 R165.2 R166.2 R212.1
Net-(Q33-C): Q33.3 R170.1 R213.2
Net-(Q34-B): Q34.1 R161.2 R167.2 R168.2 R169.2 R214.1
Net-(Q34-C): Q34.3 R215.2 R386.1
Net-(Q35-B): Q35.1 R171.2 R172.2 R216.1
Net-(Q35-C): Q35.3 R173.1 R217.2
Net-(Q36-B): Q36.1 R174.2 R175.2 R218.1
Net-(Q36-C): Q36.3 R176.1 R219.2
Net-(Q37-B): Q37.1 R177.2 R178.2 R179.2 R220.1
Net-(Q37-C): Q37.3 R180.1 R221.2
Net-(Q38-B): Q38.1 R173.2 R176.2 R180.2 R222.1
Net-(Q39-B): Q39.1 R181.2 R224.1
Net-(Q40-B): Q40.1 R182.2 R183.2 R226.1
Net-(Q41-B): C9.2 Q41.1 R184.2 R228.1
Net-(Q42-E): C9.1 Q42.2 R184.1
Net-(Q43-B): Q43.1 R230.1 R261.2 R262.2
Net-(Q44-B): Q44.1 R232.1 R263.2
Net-(Q44-C): Q44.3 Q45.1 R233.2
Net-(Q46-B): Q46.1 R235.1 R264.2 R265.2 R266.2 R267.2 R268.2 R269.2 R270.2
Net-(Q46-C): Q46.3 R236.2 R271.1
Net-(Q47-B): Q47.1 R237.1 R272.2 R273.2 R274.2 R275.2 R276.2 R277.2 R278.2
Net-(Q47-C): Q47.3 R238.2 R279.1
Net-(Q48-B): Q48.1 R239.1 R271.2 R279.2 R280.2 R281.2
Net-(Q48-C): Q48.3 R240.2 R282.1
Net-(Q49-B): Q49.1 R241.1 R282.2 R283.2
Net-(Q50-B): Q50.1 R243.1 R284.2 R285.2 R286.2 R287.2 R288.2 R289.2 R290.2
Net-(Q50-C): Q50.3 R244.2 R291.1
Net-(Q51-B): Q51.1 R245.1 R291.2
Net-(Q52-B): Q52.1 R247.1 R293.2 R294.2 R295.2 R296.2
Net-(Q52-C): Q52.3 R248.2 R297.1
Net-(Q53-B): Q53.1 R249.1 R298.2 R299.2 R300.2 R301.2
Net-(Q53-C): Q53.3 R250.2 R302.1
Net-(Q54-B): Q54.1 R251.1 R297.2 R302.2 R304.2
Net-(Q59-B): Q59.1 R257.1 R308.2
Net-(Q60-B): Q60.1 R259.1 R310.2 R311.2 R312.2
Net-(Q61-B): C14.1 Q61.1 R313.2 R349.1
Net-(Q62-B): C15.1 Q62.1 R314.2 R352.1
Net-(Q63-B): C16.1 Q63.1 R315.2 R354.1
Net-(Q64-B): C17.1 Q64.1 R316.2 R356.1
Net-(Q65-B): C18.1 Q65.1 R317.2 R357.1
Net-(Q66-B): Q66.1 R318.2 R319.2 R320.2 R359.1
Net-(Q66-C): Q66.3 R321.1 R360.2
Net-(Q67-B): Q67.1 R321.2 R322.2 R361.1
Net-(Q67-C): Q67.3 R323.1 R362.2
Net-(Q68-B): Q68.1 R323.2 R327.2 R328.2 R363.1
Net-(Q68-C): Q68.3 R326.1 R364.2
Net-(Q69-B): Q69.1 R324.2 R325.2 R326.2 R365.1
Net-(Q69-C): Q69.3 R329.1 R366.2
Net-(Q70-B): Q70.1 R330.2 R331.2 R367.1
Net-(Q70-C): Q70.3 R332.1 R368.2
Net-(Q71-B): Q71.1 R333.2 R334.2 R335.2 R336.2 R369.1
Net-(Q71-C): Q71.3 R337.1 R370.2
Net-(Q72-B): Q72.1 R338.2 R339.2 R340.2 R341.2 R342.2 R343.2 R371.1
Net-(Q72-C): Q72.3 R344.1 R372.2
Net-(Q73-B): Q73.1 R329.2 R332.2 R337.2 R344.2 R373.1
Net-(Q74-B): C19.1 Q74.1 R345.2 R376.1
Net-(Q75-B): C20.1 Q75.1 R346.2 R379.1
Net-(Q76-B): C21.1 Q76.1 R347.2 R380.1
Net-(Q77-C): Q77.3 R382.2

Pads without a net: P1 A9 A12 A14 A16 A18 A20 A22 A24 A27 A31 A32 A34 A35 A36 A37 A38 A39 A40 A41 A42 A43 A44 A45 A46 A48 A49 A52 A55 B12 B13 B14 B15 B17 B19 B29 B30 B32 B33 B45 B49 B52 B56 B58

## Via types
v1: diameter 0.762, hole 0.381, Top to Bottom, 479 vias
v2: diameter 1.016, hole 0.381, Top to Bottom, 28 vias

## Routing (per net, layer and track width the routed paths; a pad name or vN(x,y) marks a point on that pad's centre or on a via; arc(x,y) is an arc through that point)
+15V: length 803.1
  Top w0.254: R379.2 107.95,42.67 ; R369.2 107.95,72.14 ; R255.2 73.15,104.01 arc(72.67,105.18) 71.5,105.66 59.69,105.66 ; R198.2 54.61,99.06 ; R200.2 41.15,89.53 arc(41.63,88.37) 42.8,87.88 54.61,87.88 ; R356.2 107.95,99.32 ; R186.2 54.61,120.4 ; R354.2 107.95,103.63 ; R1.2 6.35,23.87 ; R241.2 59.69,68.7 ; 6.35,69.34 18.16,69.34 arc(19.33,68.86) 19.81,67.69 R19.2 ; 54.61,84.84 R202.2 50.66,84.84 arc(50.32,84.77) 50.04,84.58 49.96,84.51 arc(49.76,84.37) 49.53,84.33 42.8,84.33 arc(41.63,84.81) 41.15,85.98 R201.2 ; R371.2 107.95,65.03 ; R245.2 59.69,78.86 ; R13.2 6.35,51.05 ; R206.2 54.61,77.73 ; R5.2 6.35,32.51 ; 6.35,72.9 18.16,72.9 arc(19.33,72.41) 19.81,71.25 R20.2 ; R365.2 107.95,79.25 ; R216.2 54.61,59.95 54.61,59.94 ; 54.61,52.83 54.61,52.83 R220.2 ; R376.2 107.95,48.77 ; R373.2 107.95,61.47 ; R15.2 6.35,54.61 ; R204.2 54.61,81.28 ; R367.2 107.95,75.69 ; R190.2 54.61,113.29 ; R11.2 6.35,47.5 ; R9.2 6.35,41.53 ; R199.2 54.61,95.51 ; R212.2 54.61,67.06 ; R3.2 6.35,27.43 ; R188.2 54.61,116.84 ; 59.69,109.22 71.5,109.22 arc(72.67,108.74) 73.15,107.57 R256.2 ; R247.2 59.69,82.42 ; R237.2 59.69,61.47 ; R228.2 54.61,38.61 arc(54.61,38.61) 54.61,38.61 ; R29.2 6.35,109.22 ; R254.2 59.69,98.04 ; R361.2 107.95,86.36 ; R196.2 54.61,102.62 ; R7.2 6.35,36.07 ; R222.2 54.61,49.28 ; R349.2 107.95,112.27 ; R234.2 73.15,47.12 arc(72.67,48.28) 71.5,48.77 59.69,48.77 ; R257.2 59.69,112.27 arc(59.69,112.27) 59.69,112.27 ; R239.2 59.69,65.02 ; R210.2 54.61,70.61 ; R26.2 6.35,100.07 ; R230.2 59.69,37.59 ; R380.2 107.95,38.36 ; R18.2 6.35,61.72 ; R251.2 59.69,90.93 ; R224.2 54.61,45.72 ; R352.2 107.95,107.95 ; R24.2 6.35,91.95 ; R249.2 59.69,85.98 ; R357.2 107.95,95 ; R31.2 6.35,115.82 ; R235.2 59.69,54.61 ; R22.2 6.35,81.79 ; R363.2 107.95,82.81 ; R17.2 6.35,58.16 ; R243.2 59.69,75.31 ; R232.2 59.69,41.15 ; R226.2 54.61,42.17 arc(54.61,42.17) 54.61,42.16 ; R192.2 54.61,109.73 ; R208.2 54.61,74.17 ; R194.2 54.61,106.17 ; R359.2 107.95,89.92 ; R253.2 59.69,94.49 ; R259.2 59.69,115.82 ; R214.2 54.61,63.5 R214.2 ; R218.2 54.61,56.39 R218.2
  Top w1.016: 107.95,38.73 107.95,115.32 arc(107.58,116.21) 106.68,116.58 106.17,116.58 arc(103.36,117.14) 100.97,118.74 99.47,120.24 arc(96.49,122.23) 92.97,122.93 91.95,122.93 arc(91.95,122.93) 91.95,122.94 61.47,122.94 arc(60.21,122.42) 59.69,121.16 59.69,32.77 arc(59.24,31.69) 58.17,31.24 56.13,31.24 arc(55.06,31.69) 54.61,32.77 54.61,120.4 54.61,120.4 54.61,121.16 arc(54.09,122.42) 52.83,122.94 10.16,122.94 arc(7.47,121.82) 6.35,119.13 6.35,12.95 arc(6.95,11.52) 8.38,10.92 v2(11.94,10.92)
  Bottom w1.016: 19.69,4.95 19.69,8.76 arc(19.05,10.29) 17.53,10.92 v2(10.16,10.92)
-15V: length 273.1
  Top w0.254: v1(50.42,34.04) 50.42,32.77
  Top w0.508: v2(67.56,13.33) v2(54.86,13.33) 23.24,13.33 arc(22.52,13.04) 22.22,12.32 v2(22.22,10.29) ; 22.59,13.1 20.95,14.73 v1(15.75,14.73) ; Q12.3 v2(8.64,71.12) ; Q58.3 v2(61.98,107.44) ; Q27.3 v2(52.32,86.11) ; Q45.3 v2(61.98,46.99) ; Q26.3 v2(52.32,89.66) ; Q11.3 v2(8.64,67.56) ; Q57.3 v2(61.98,103.89)
  Bottom w0.254: v2(54.86,13.33) 54.86,29.59 v1(50.42,34.04)
  Bottom w0.508: v2(67.56,13.33) R185.1 arc(63.43,34.13) 61.98,41.43 v2(61.98,46.99) 61.98,61.89 arc(61.28,65.37) 59.31,68.33 arc(57.15,71.56) 56.39,75.38 56.39,77.85 ; 56.39,77.85 57.68,79.15 arc(60.86,83.9) 61.98,89.51 arc(61.95,90.04) 61.89,90.57 61.09,95.24 arc(61.02,96.76) 61.31,98.25 61.67,99.38 arc(61.9,100.34) 61.98,101.33 v2(61.98,103.89) v2(61.98,107.44) ; 56.39,77.85 55.29,78.95 arc(53.09,82.23) v2(52.32,86.11) v2(52.32,89.66) ; 22.22,8.89 v2(22.22,10.29) ; 22.22,8.89 v2(22.22,11.43) ; 22.22,8.89 22.22,4.95 ; v2(8.64,71.12) v2(8.64,67.56) 8.64,16.13 10.03,14.73 v1(15.75,14.73)
